# Altium PCB power.PcbDoc (part 2 of 3)
Units mm, origin at the board's own origin, x right, y up, seen from the top; angles counter-clockwise.
Board outline 41 x 59 mm, 4 copper layers (Top Layer, Grpund, Power, Bottom Layer); 116 components, 80 nets, 408 pads, 200 vias.
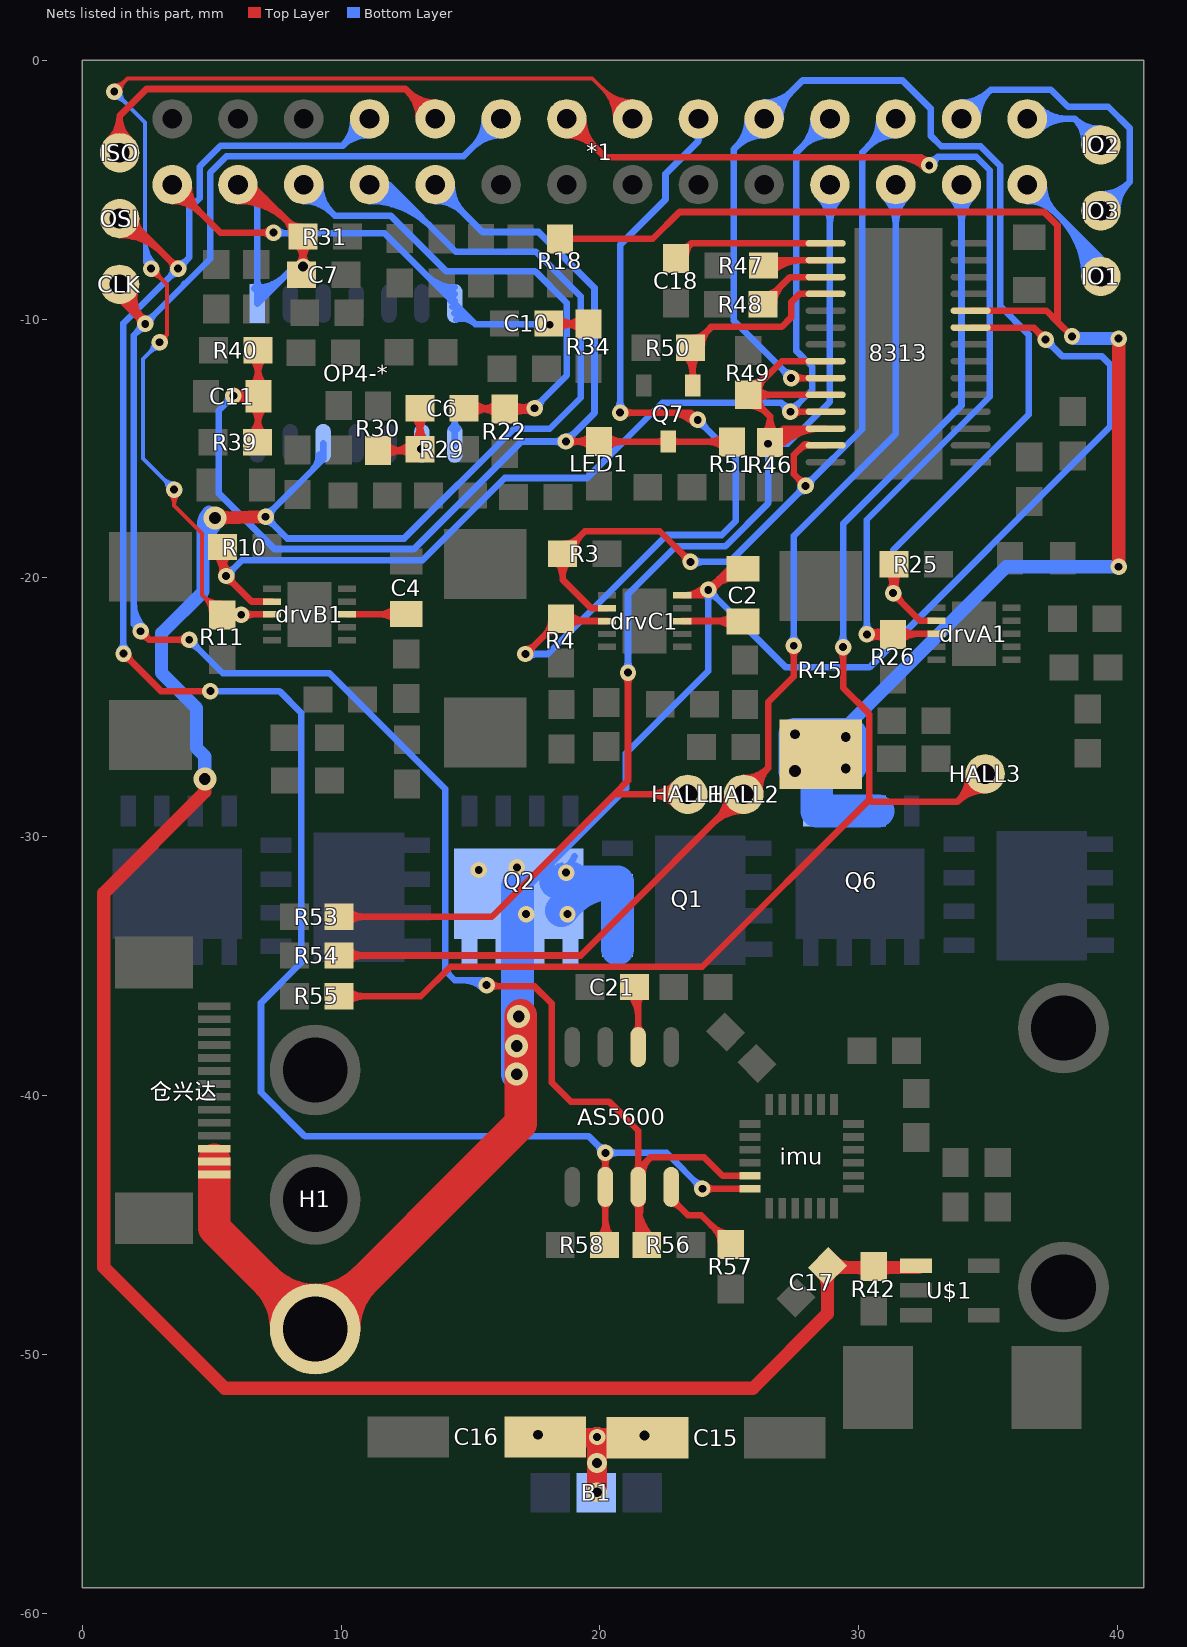
[diagram p4: the nets of this part, all layers, seen from the top]

## Via types
v1: diameter 0.635, hole 0.305, Top Layer to Bottom Layer, 147 vias
v2: diameter 0.889, hole 0.457, Top Layer to Bottom Layer, 25 vias
v3: diameter 0.762, hole 0.381, Top Layer to Bottom Layer, 18 vias
v4: diameter 0.635, hole 0.381, Top Layer to Bottom Layer, 5 vias
v5: diameter 0.762, hole 0.305, Top Layer to Bottom Layer, 4 vias
v6: diameter 0.762, hole 0.457, Top Layer to Bottom Layer, 1 vias

## Nets (pads, with @x,y where several pads share a name; then routed paths per layer and width w, separated by ;. In a path a pad name is that pad's centre, name@x,y a point inside that pad or via, vN(x,y) a via of type N, cw(c..) or ccw(c..) an arc to the next point about the centre after c; other vN are vias at no path point) (continued)
Net8313_9: 8313.9 C2.1 drvC1.5 H1.3 Q1.S Q2.D 仓兴达.12 仓兴达.13 仓兴达.14 | length 106.1
  Top Layer w0.254: drvC1.5@23.175,-20.662 23.975,-20.662 v1(24.181,-20.456) ; drvC1.5@23.224,-20.662 ccw(c23.224,-19.499) v1@24.046,-20.322 ; 23.837,-20.662 ccw(c23.837,-20.112) v1@24.226,-20.501 ; v1@24.181,-20.266 ccw(c24.181,-19.806) 24.506,-20.131 ccw(c24.831,-20.456) v1@24.371,-20.456 ; v1@24.23,-20.272 ccw(c24.349,-19.828) 24.579,-20.226 ccw(c24.809,-20.625) v1@24.365,-20.506 ; 24.573,-20.064 cw(c25.308,-20.798) C2.1@25.383,-19.762 ; C2.1@25.365,-20.016 ccw(c25.255,-21.53) v1(24.181,-20.456) ; C2.1@25.527,-19.644 24.994,-19.644 v1(24.181,-20.456) ; 8313.9@34.315,-10.329 36.745,-10.329 v1(37.211,-10.795) ; v1@37.02,-10.795 ccw(c36.561,-10.795) 36.886,-10.47 ccw(c37.211,-10.145) v1@37.211,-10.604
  Top Layer w0.305: 仓兴达.13@5.105,-42.474 仓兴达.12@5.105,-42.037
  Top Layer w1.27: 仓兴达.13@5.105,-42.474 仓兴达.13@5.105,-42.537 仓兴达.14@5.105,-43.037 5.105,-45.105 H1.3@9,-49 16.942,-41.058 v2@16.942,-36.89 ; H1.3@7.885,-49 ccw(c5.193,-49) 7.097,-47.097 ccw(c9,-45.193) 9,-47.885 ccw(c9,-45.193) 10.903,-47.097 ccw(c12.807,-49) H1.3@10.115,-49
  Bottom Layer w0.254: Q2.D@16.981,-32.166 21.006,-28.141 21.006,-26.772 24.181,-23.597 v1(24.181,-20.456) 27.178,-23.454 30.404,-23.454 39.7,-14.157 39.7,-11.76 39.37,-11.43 37.846,-11.43 v1(37.211,-10.795) ; Q2.D@18.231,-31.945 cw(c19.194,-32.154) Q2.D@18.66,-31.325 ; Q2.D@18.36,-31.346 cw(c18.724,-31.425) Q2.D@18.522,-31.111 ; Q2.D@18.399,-31.151 ccw(c18.734,-31.33) Q2.D@18.495,-31.625 ; Q2.D@18.478,-32.133 cw(c19.377,-32.235) Q2.D@18.813,-31.527 ; Q2.D@18.609,-31.208 ccw(c18.243,-30.482) Q2.D@19.015,-30.737 ; Q2.D@18.742,-31.336 cw(c18.02,-31.983) Q2.D@18.988,-32.036 ; Q2.D@18.873,-31.641 ccw(c18.609,-31.253) Q2.D@19.07,-31.341 ; v1@24.046,-20.591 cw(c23.721,-20.916) 24.181,-20.916 cw(c24.641,-20.916) v1@24.316,-20.591 ; v1@24.181,-20.647 cw(c24.181,-21.107) 24.506,-20.782 cw(c24.831,-20.456) v1@24.371,-20.456 ; v1@37.211,-10.986 cw(c37.211,-11.445) 37.536,-11.12 cw(c37.861,-10.795) v1@37.401,-10.795
  Bottom Layer w0.889: Q2.D@16.866,-32.166 Q2.D@16.981,-32.166 ; Q1.S@20.676,-34.334 Q1.S@20.676,-34.325
  Bottom Layer w1.27: v2@16.81,-39.162 Q2.D@16.81,-31.911 ; Q2.D@18.299,-31.74 Q1.S@20.676,-31.74 ; Q2.D@18.514,-32.844 cw(c20.675,-34.407) Q1.S@20.676,-31.74 ; Q2.D@18.588,-31.74 ccw(c18.588,-31.272) Q2.D@18.919,-31.603 ; Q1.S@20.676,-34.325 Q1.S@20.676,-33.04 Q1.S@20.676,-31.74
  other v1: 17.145,-32.979 18.745,-32.979 18.694,-31.378 15.316,-31.277 16.789,-31.175
  other v2: 16.784,-39.162 16.784,-38.07 16.861,-36.936
Net8313_10: 8313.10 Q6.S R18.1 R45.2 | length 63
  Top Layer w0.254: R18.1@18.457,-6.901 22.039,-6.901 23.073,-5.867 37.151,-5.867 37.668,-6.385 37.668,-10.109 ; 8313.10@34.315,-9.679 37.238,-9.679 37.668,-10.109 ; v1(38.227,-10.668) 37.668,-10.109
  Top Layer w0.508: v1(40.03,-19.567) v1(40.03,-10.754)
  Bottom Layer w0.254: v1(38.227,-10.668) v1@38.313,-10.754
  Bottom Layer w0.508: v4@29.223,-26.035 35.691,-19.567 v1(40.03,-19.567) ; v1@38.272,-10.623 ccw(c38.587,-10.308) 38.587,-10.754 ; v1@38.313,-10.754 v1(40.03,-10.754)
  Bottom Layer w1.27: v2(27.534,-27.457) v4(27.534,-26.035) 29.223,-26.035 29.68,-26.035 29.68,-27.267 v2@27.724,-27.267 ; 28.372,-27.457 28.372,-28.991 Q6.S@29.441,-28.991 Q6.S@30.741,-28.991
  other v4: 29.489,-27.356 29.489,-26.137
Net8313_15: 8313.15 C18.1 | length 7.2
  Top Layer w0.254: C18.1@22.936,-7.668 23.526,-7.079 ; C18.1@23.004,-7.243 ccw(c23.108,-6.661) 23.526,-7.079 ; C18.1@23.317,-7.606 cw(c24.031,-7.584) 23.526,-7.079 ; 8313.15@28.715,-7.079 23.526,-7.079
Net8313_16: 8313.16 R47.2 | length 4.3
  Top Layer w0.254: R47.2@26.455,-8.024 cw(c27.168,-8.737) 27.168,-7.729 ; R47.2@26.594,-7.934 26.799,-7.729 8313.16@28.715,-7.729 ; R47.2@26.635,-8.204 cw(c27.781,-9.35) 27.781,-7.729
Net8313_17: 8313.17 R48.2 | length 4.3
  Top Layer w0.254: R48.2@26.289,-9.433 27.343,-8.379 8313.17@28.715,-8.379 ; R48.2@26.34,-9.052 ccw(c26.34,-8.255) 26.903,-8.818 ; R48.2@26.721,-9.433 cw(c27.763,-9.433) 27.026,-8.696
Net8313_18: 8313.18 Q7.1 R50.2 | length 11.3
  Top Layer w0.254: R50.2@23.276,-11.379 cw(c22.54,-12.115) 23.581,-12.115 ; Q7.1@23.459,-12.327 ccw(c23.164,-12.032) 23.581,-12.032 ccw(c23.999,-12.032) Q7.1@23.704,-12.327 ; R50.2@23.495,-11.109 24.282,-10.322 ; R50.2@23.52,-11.343 23.581,-11.343 Q7.1@23.581,-12.574 ; R50.2@23.546,-10.728 ccw(c23.546,-9.931) 24.109,-10.495 ; 23.581,-11.943 cw(c24.38,-11.943) R50.2@23.815,-11.379 ; R50.2@23.927,-11.109 cw(c24.969,-11.109) 24.232,-10.372 ; 24.282,-10.296 27.026,-10.296 27.381,-9.941 27.381,-9.357 27.709,-9.029 8313.18@28.715,-9.029
Net*1_1: *1.1 IO2.1 | length 10.5
  Bottom Layer w0.254: *1.1@36.5,-2.27 38.338,-2.27 ; *1.1@36.769,-2.539 cw(c37.42,-3.19) 37.42,-2.27 cw(c37.42,-1.35) *1.1@36.769,-2.001 ; *1.1@36.949,-2.719 cw(c38.033,-3.803) 38.033,-2.27 cw(c38.033,-0.737) *1.1@36.949,-1.821 ; IO2.1@38.711,-3.242 ccw(c37.434,-3.174) 38.338,-2.27 ; IO2.1@38.964,-3.256 ccw(c38.198,-3.215) 38.741,-2.673 ccw(c39.283,-2.13) IO2.1@39.324,-2.896 ; IO2.1@39.31,-2.643 cw(c39.242,-1.366) 38.338,-2.27 ; IO2.1@39.345,-3.277 38.338,-2.27
Net*1_2: *1.2 IO3.1 | length 18.9
  Bottom Layer w0.254: *1.2@33.96,-2.27 35.087,-1.143 37.414,-1.143 38.075,-1.803 39.624,-1.803 40.462,-2.642 40.462,-4.699 IO3.1@39.345,-5.817 ; *1.2@33.96,-1.889 ccw(c33.96,-0.969) 34.61,-1.62 ccw(c35.261,-2.27) *1.2@34.341,-2.27 ; *1.2@33.96,-1.635 ccw(c33.96,-0.102) 35.044,-1.186 ccw(c36.128,-2.27) *1.2@34.595,-2.27 ; IO3.1@39.345,-5.436 ccw(c39.345,-4.516) 39.995,-5.166 ccw(c40.645,-5.817) IO3.1@39.726,-5.817 ; IO3.1@39.345,-5.182 ccw(c39.345,-3.649) 40.429,-4.733 ccw(c41.513,-5.817) IO3.1@39.98,-5.817
Net*1_3: 8313.27 *1.3 drvC1.7 R3.1 | length 44
  Top Layer w0.254: R3.1@18.286,-19.329 cw(c17.636,-19.979) 18.556,-19.979 cw(c19.475,-19.979) R3.1@18.825,-19.329 ; R3.1@18.606,-18.678 ccw(c18.606,-17.881) 19.17,-18.445 ; R3.1@18.987,-19.059 cw(c20.03,-19.059) 19.293,-18.322 ; drvC1.7@20.275,-21.162 19.654,-21.162 18.556,-20.064 R3.1@18.556,-19.059 19.419,-18.196 22.311,-18.196 v1(23.495,-19.38) ; v1@23.304,-19.38 ccw(c22.845,-19.38) 23.17,-19.055 ccw(c23.495,-18.73) v1@23.495,-19.19 ; 27.707,-15.025 cw(c28.065,-15.384) 8313.27@28.065,-14.877 ; v1@27.749,-16.443 ccw(c27.29,-16.443) 27.615,-16.118 ccw(c27.94,-15.793) v1@27.94,-16.253 ; v1(27.94,-16.443) 27.483,-15.986 27.483,-15.249 27.853,-14.879 ; 8313.27@28.067,-14.877 ccw(c27.961,-14.986) 27.853,-14.879 ; 8313.27@28.715,-14.879 27.853,-14.879
  Bottom Layer w0.254: v1(23.495,-19.38) 25.003,-19.38 v1(27.94,-16.443) 30.124,-14.259 30.124,-3.565 *1.3@31.42,-2.27 ; v1@23.63,-19.515 cw(c23.955,-19.84) 23.955,-19.38 cw(c23.955,-18.92) v1@23.63,-19.245 ; v1@27.749,-16.443 cw(c27.29,-16.443) 27.615,-16.768 cw(c27.94,-17.094) v1@27.94,-16.634 ; v1@27.94,-16.253 ccw(c27.94,-15.793) 28.265,-16.118 ccw(c28.59,-16.443) v1@28.13,-16.443 ; *1.3@30.785,-2.27 cw(c29.252,-2.27) 30.336,-3.354 cw(c31.42,-4.438) *1.3@31.42,-2.905 ; *1.3@31.039,-2.27 cw(c30.119,-2.27) 30.769,-2.92 cw(c31.42,-3.571) *1.3@31.42,-2.651
Net*1_4: 8313.25 *1.4 drvB1.7 R10.1 | length 52.1
  Top Layer w0.254: R10.1@5.154,-19.075 cw(c4.504,-19.725) 5.424,-19.725 cw(c6.344,-19.725) R10.1@5.693,-19.075 ; R10.1@5.312,-19.307 ccw(c6.029,-19.115) v1@5.658,-19.758 ; R10.1@5.424,-19.128 ccw(c6.358,-19.128) v1@5.697,-19.788 ; R10.1@5.424,-18.805 5.424,-19.784 v1(5.563,-19.923) 6.548,-20.908 drvB1.7@7.334,-20.908 ; v1@5.563,-20.114 cw(c5.563,-20.573) 5.888,-20.248 cw(c6.213,-19.923) v1@5.753,-19.923 ; v1(27.35,-13.579) 8313.25@28.715,-13.579 ; v1@27.485,-13.714 cw(c27.81,-14.039) 27.81,-13.579 cw(c27.81,-13.119) v1@27.485,-13.444
  Bottom Layer w0.254: v1(5.563,-19.923) 6.172,-19.313 13.148,-19.313 16.323,-16.138 19.498,-16.138 22.403,-13.233 27.005,-13.233 v1(27.35,-13.579) 28.194,-12.735 28.194,-11.846 27.584,-11.236 27.584,-3.565 *1.4@28.88,-2.27 ; v1@5.563,-19.733 ccw(c5.563,-19.273) 5.888,-19.598 ccw(c6.213,-19.923) v1@5.753,-19.923 ; v1@27.16,-13.579 ccw(c26.7,-13.579) 27.025,-13.254 ccw(c27.35,-12.928) 27.35,-13.388 ccw(c27.35,-12.928) 27.675,-13.254 ccw(c28,-13.579) v1@27.541,-13.579 ; *1.4@28.245,-2.27 cw(c26.712,-2.27) 27.796,-3.354 cw(c28.88,-4.438) *1.4@28.88,-2.905 ; *1.4@28.499,-2.27 cw(c27.579,-2.27) 28.229,-2.92 cw(c28.88,-3.571) *1.4@28.88,-2.651
Net*1_5: 8313.23 *1.5 drvA1.7 R25.1 | length 60.7
  Top Layer w0.254: v1(27.382,-12.279) 8313.23@28.715,-12.279 ; v1@27.517,-12.413 cw(c27.842,-12.739) 27.842,-12.279 cw(c27.842,-11.819) v1@27.517,-12.144 ; R25.1@31.088,-19.735 cw(c30.437,-20.386) 31.357,-20.386 cw(c32.277,-20.386) R25.1@31.627,-19.735 ; v1@31.179,-20.453 ccw(c30.885,-20.179) 31.274,-20.074 ; v1@31.183,-20.449 ccw(c30.764,-20.029) 31.357,-20.029 ; v1@31.223,-20.418 ccw(c31.016,-20.06) 31.416,-20.167 ; v1@31.318,-20.774 cw(c31.318,-21.172) 31.6,-20.891 ; 31.357,-20.218 ccw(c31.684,-20.218) v1@31.453,-20.449 ; R25.1@31.357,-19.466 31.357,-20.648 32.367,-21.658 drvA1.7@32.988,-21.658 ; 31.433,-20.104 ccw(c31.921,-20.235) v1@31.483,-20.488 ; v1@31.509,-20.583 ccw(c32.03,-20.583) 31.661,-20.952
  Bottom Layer w0.254: *1.5@25.705,-2.27 cw(c24.172,-2.27) 25.256,-3.354 cw(c26.34,-4.438) *1.5@26.34,-2.905 ; *1.5@25.959,-2.27 cw(c25.039,-2.27) 25.689,-2.92 cw(c26.34,-3.571) *1.5@26.34,-2.651 ; *1.5@26.34,-1.889 ccw(c26.34,-0.969) 26.99,-1.62 ccw(c27.641,-2.27) *1.5@26.721,-2.27 ; *1.5@26.34,-1.635 ccw(c26.34,-0.102) 27.424,-1.186 ccw(c28.508,-2.27) *1.5@26.975,-2.27 ; v1@27.192,-12.279 ccw(c26.732,-12.279) 27.057,-11.954 ccw(c27.382,-11.628) v1@27.382,-12.088 ; v1(27.382,-12.279) 25.171,-10.068 25.171,-3.438 *1.5@26.34,-2.27 27.822,-0.787 31.683,-0.787 32.766,-1.87 32.766,-2.912 33.182,-3.327 34.696,-3.327 35.458,-4.089 35.458,-9.5 36.551,-10.592 36.551,-13.7 31.318,-18.932 v1(31.318,-20.583) ; v1@31.183,-20.449 ccw(c30.858,-20.123) 31.318,-20.123 ccw(c31.778,-20.123) v1@31.453,-20.449
Net*1_6: *1.6 drvC1.8 R4.1 | length 43.6
  Top Layer w0.254: v1@17.12,-22.746 ccw(c17.12,-22.261) 17.462,-22.604 ; v1@17.125,-22.941 R4.1@18.491,-21.575 ; v1@17.31,-22.936 cw(c17.745,-22.936) 17.438,-22.629 ; 17.754,-22.312 cw(c18.491,-23.049) R4.1@18.491,-22.007 ; 17.877,-22.189 ccw(c17.313,-21.626) R4.1@18.11,-21.626 ; R4.1@18.587,-21.662 drvC1.8@20.275,-21.662 ; R4.1@18.761,-21.895 cw(c19.322,-22.457) 19.322,-21.662 ; R4.1@18.761,-21.356 ccw(c19.5,-20.617) 19.5,-21.662 ; v1(20.777,-13.614) 23.495,-13.614 ; v1@20.912,-13.749 cw(c21.237,-14.074) 21.237,-13.614 cw(c21.237,-13.154) v1@20.912,-13.48 ; 22.64,-13.614 cw(c22.64,-15.028) v1@23.64,-14.029 ; 23.253,-13.614 cw(c23.253,-14.415) v1@23.819,-13.849 ; v1@23.585,-13.872 ccw(c23.273,-13.837) 23.495,-13.614 ; v1@23.753,-13.705 cw(c23.717,-13.392) 23.495,-13.614 ; v1(23.774,-13.894) 23.495,-13.614
  Bottom Layer w0.254: v1(17.12,-22.936) 17.983,-22.936 22.581,-18.339 24.698,-18.339 25.248,-17.789 25.248,-15.367 v1(23.774,-13.894) ; v1@17.254,-23.071 cw(c17.58,-23.396) 17.58,-22.936 cw(c17.58,-22.476) v1@17.254,-22.801 ; v1@20.642,-13.48 ccw(c20.317,-13.154) 20.777,-13.154 ccw(c21.237,-13.154) v1@20.912,-13.48 ; v1(20.777,-13.614) 20.777,-7.137 22.53,-5.385 22.53,-4.394 23.8,-3.124 ; *1.6@23.617,-2.878 cw(c23.543,-3.124) 23.8,-3.124 ; v1@23.774,-14.084 cw(c23.774,-14.544) 24.1,-14.219 cw(c24.425,-13.894) v1@23.965,-13.894 ; *1.6@23.8,-2.27 23.8,-3.124 ; *1.6@23.983,-2.878 ccw(c24.057,-3.124) 23.8,-3.124
Net*1_7: *1.7 drvB1.8 R11.1 | length 65.8
  Top Layer w0.152: v1(1.245,-1.219) 1.753,-0.711 19.701,-0.711 *1.7@21.26,-2.27 ; v1@1.245,-0.978 ccw(c1.245,-0.395) 1.657,-0.807 ccw(c2.068,-1.219) v1@1.486,-1.219 ; v1@2.667,-8.293 cw(c2.667,-8.876) 3.079,-8.464 cw(c3.491,-8.052) v1@2.908,-8.052 ; v1(2.667,-8.052) 3.277,-8.661 3.277,-10.617 ; v1(2.997,-10.897) 3.277,-10.617 ; v1@3.071,-10.667 ccw(c3.133,-10.474) 3.277,-10.617 ; v1@3.227,-10.823 cw(c3.42,-10.761) 3.277,-10.617 ; v1@3.385,-16.757 cw(c2.973,-17.169) 3.556,-17.169 cw(c4.139,-17.169) v1@3.727,-16.757 ; v1(3.556,-16.586) 3.556,-17.196 4.636,-18.276 4.636,-20.66 ; 4.707,-20.73 cw(c4.056,-21.381) R11.1@4.976,-21.381 ; 4.88,-20.903 ccw(c5.361,-20.422) R11.1@5.394,-21.102 ; R11.1@4.967,-20.99 cw(c4.577,-21.381) R11.1@5.128,-21.381 ; R11.1@5.387,-20.949 cw(c5.338,-19.958) 4.636,-20.66 ; R11.1@5.408,-21.431 4.636,-20.66 ; *1.7@20.574,-2.27 ccw(c18.918,-2.27) 20.089,-1.099 ccw(c21.26,0.071) *1.7@21.26,-1.584 ; *1.7@20.726,-2.27 ccw(c19.439,-2.27) 20.349,-1.359 ccw(c21.26,-0.449) *1.7@21.26,-1.737 ; *1.7@20.879,-2.27 ccw(c19.959,-2.27) 20.609,-1.62 ccw(c21.26,-0.969) *1.7@21.26,-1.889
  Top Layer w0.254: R11.1@5.392,-21.408 drvB1.8@7.334,-21.408 ; R11.1@5.655,-21.408 cw(c5.655,-21.913) v1@6.012,-21.556 ; R11.1@5.677,-21.701 cw(c6.383,-22.407) v1@6.383,-21.408 ; R11.1@5.677,-21.162 ccw(c6.272,-20.567) v1@6.272,-21.408 ; R11.1@5.719,-21.408 ccw(c5.719,-20.994) v1@6.012,-21.287 ; R11.1@5.776,-21.275 cw(c5.709,-21.527) v1@5.962,-21.466 ; R11.1@5.82,-21.287 ccw(c5.899,-20.992) v1@6.052,-21.257 ; v1@6.282,-21.556 cw(c6.639,-21.913) 6.639,-21.408 ; v1@6.282,-21.287 ccw(c6.575,-20.994) 6.575,-21.408
  Bottom Layer w0.152: v1@1.245,-1.46 cw(c1.245,-2.043) 1.657,-1.631 cw(c2.068,-1.219) v1@1.486,-1.219 ; v1(1.245,-1.219) 2.438,-2.413 2.438,-7.823 v1(2.667,-8.052) ; 2.438,-7.653 ccw(c3.066,-7.653) v1@2.622,-8.097 ; 2.438,-7.285 ccw(c3.434,-7.285) v1@2.73,-7.989 ; 2.438,-6.917 ccw(c3.801,-6.917) v1@2.838,-7.881 ; v1@2.756,-10.897 cw(c2.173,-10.897) 2.585,-11.309 cw(c2.997,-11.72) v1@2.997,-11.138 ; v1(2.997,-10.897) 2.349,-11.544 2.349,-15.38 v1(3.556,-16.586) ; v1@3.315,-16.586 ccw(c2.732,-16.586) 3.144,-16.174 ccw(c3.556,-15.762) v1@3.556,-16.345
  other v1: 6.147,-21.422
Net*1_8: *1.8 drvA1.8 R26.1 | length 53
  Top Layer w0.254: *1.8@18.72,-2.905 cw(c18.72,-4.438) 19.804,-3.354 cw(c20.888,-2.27) *1.8@19.355,-2.27 ; *1.8@18.72,-2.651 cw(c18.72,-3.571) 19.37,-2.92 cw(c20.021,-2.27) *1.8@19.101,-2.27 ; *1.8@18.72,-2.27 20.209,-3.759 32.41,-3.759 ; v1(30.305,-22.181) R26.1@31.316,-22.181 ; v1@30.4,-22.346 cw(c30.671,-22.814) R26.1@30.81,-22.292 ; v1@30.4,-22.016 ccw(c30.671,-21.548) R26.1@30.81,-22.07 ; v1@30.44,-22.315 cw(c30.765,-22.641) 30.765,-22.181 cw(c30.765,-21.721) v1@30.44,-22.046 ; v1@30.47,-22.276 cw(c30.799,-22.466) 30.701,-22.099 ; v1@30.47,-22.085 ccw(c30.799,-21.896) 30.701,-22.262 ; R26.1@31.046,-22.45 ccw(c30.396,-23.101) 30.396,-22.181 ccw(c30.396,-21.261) R26.1@31.046,-21.911 ; R26.1@31.205,-22.158 drvA1.8@32.988,-22.158 drvA1.8@32.972,-22.142 ; 31.519,-3.759 cw(c31.519,-5.26) v1@32.58,-4.199 ; R26.1@31.585,-22.45 cw(c32.291,-23.156) 32.291,-22.158 ; R26.1@31.585,-21.911 ccw(c32.18,-21.316) 32.18,-22.158 ; 32.133,-3.759 cw(c32.133,-4.647) v1@32.76,-4.019 ; v1@32.525,-4.055 ccw(c32.133,-4.037) 32.41,-3.759 ; v1@32.706,-3.874 cw(c32.688,-3.482) 32.41,-3.759 ; v1(32.715,-4.064) 32.41,-3.759
  Bottom Layer w0.254: v1@30.17,-22.046 ccw(c29.845,-21.721) 30.305,-21.721 ccw(c30.765,-21.721) v1@30.44,-22.046 ; v1(30.305,-22.181) 30.305,-17.752 35.052,-13.005 35.052,-4.258 34.528,-3.734 33.045,-3.734 v1(32.715,-4.064) ; v1@32.715,-3.873 ccw(c32.715,-3.414) 33.04,-3.739 ccw(c33.366,-4.064) v1@32.906,-4.064
Net*1_9: *1.9 AS5600.7 CLK.1 imu.23 R56.1 | length 98
  Top Layer w0.254: CLK.1@1.448,-8.661 1.448,-9.22 v1@2.438,-10.211 ; CLK.1@1.571,-8.694 ccw(c2.468,-8.929) 1.812,-9.584 ; CLK.1@1.816,-8.758 ccw(c2.964,-9.059) 2.125,-9.898 ; 1.944,-9.585 ccw(c2.719,-9.137) 2.488,-10.001 cw(c2.618,-9.515) 2.182,-9.767 ; CLK.1@2.062,-8.822 ccw(c3.461,-9.189) v1@2.438,-10.211 ; 2.07,-9.842 ccw(c2.438,-9.474) v1@2.438,-9.995 ; 2.088,-9.834 ccw(c2.374,-9.669) v1@2.415,-9.996 ; 2.131,-9.904 cw(c1.849,-10.185) v1@2.248,-10.185 ; 2.213,-9.82 cw(c1.852,-10.028) v1@2.254,-10.136 ; v1@2.261,-22.247 cw(c2.261,-22.707) 2.586,-22.382 cw(c2.911,-22.057) v1@2.451,-22.057 ; v1(2.261,-22.057) 2.591,-22.387 v1(4.14,-22.387) ; v1(2.438,-10.185) v1@2.438,-10.211 ; v1@4.005,-22.522 ccw(c3.68,-22.847) 3.68,-22.387 ccw(c3.68,-21.927) v1@4.005,-22.252 ; v1@15.621,-35.773 17.475,-35.773 18.136,-36.433 18.136,-39.481 18.872,-40.218 20.345,-40.218 21.476,-41.348 AS5600.7@21.476,-42.847 ; v1@15.756,-35.857 cw(c15.958,-36.059) 15.958,-35.773 ; v1@15.756,-35.587 ccw(c16.204,-35.139) 16.204,-35.773 ; AS5600.7@21.353,-44.112 cw(c21.058,-44.407) 21.476,-44.407 cw(c21.893,-44.407) AS5600.7@21.598,-44.112 ; AS5600.7@21.353,-42.917 ccw(c21.058,-42.622) 21.476,-42.622 ccw(c21.893,-42.622) AS5600.7@21.598,-42.917 ; AS5600.7@21.386,-44.137 cw(c21.241,-44.377) 21.513,-44.311 ; 21.476,-44.771 ccw(c22.739,-44.771) R56.1@21.846,-45.665 ; AS5600.7@21.476,-44.158 ccw(c23.353,-44.158) R56.1@22.025,-45.485 ; 21.559,-44.499 cw(c22.098,-44.367) AS5600.7@21.624,-44.079 ; AS5600.7@21.649,-43.04 cw(c22.532,-43.04) 21.908,-42.415 ; R56.1@21.807,-45.755 21.476,-45.424 AS5600.7@21.476,-43.515 AS5600.7@21.476,-42.847 ; imu.23@25.79,-43.083 24.735,-43.083 24.028,-42.377 21.946,-42.377 AS5600.7@21.476,-42.847
  Bottom Layer w0.254: 1.994,-21.566 ccw(c2.751,-21.566) v1@2.216,-22.102 ; 1.994,-20.953 ccw(c3.364,-20.953) v1@2.395,-21.922 ; v1@2.248,-10.185 cw(c1.788,-10.185) 2.113,-10.511 cw(c2.438,-10.836) v1@2.438,-10.376 ; v1(2.261,-22.057) 1.994,-21.79 1.994,-10.63 v1(2.438,-10.185) 4.953,-7.671 4.953,-4.343 5.579,-3.718 14.732,-3.718 *1.9@16.18,-2.27 ; v1@2.438,-9.995 ccw(c2.438,-9.535) 2.764,-9.86 ccw(c3.089,-10.185) v1@2.629,-10.185 ; 3.95,-8.649 3.956,-8.649 ; v1@4.14,-22.577 cw(c4.14,-23.037) 4.465,-22.712 cw(c4.791,-22.387) v1@4.331,-22.387 ; v1(4.14,-22.387) 5.436,-23.682 9.558,-23.682 14.021,-28.145 14.021,-35.163 14.393,-35.535 15.434,-35.535 v1(15.621,-35.722) ; 14.71,-35.535 cw(c14.71,-36.632) v1@15.486,-35.857 ; 15.324,-35.535 cw(c15.324,-36.019) v1@15.666,-35.677 ; *1.9@15.545,-2.27 cw(c14.012,-2.27) 15.096,-3.354 cw(c16.18,-4.438) *1.9@16.18,-2.905 ; *1.9@15.799,-2.27 cw(c14.879,-2.27) 15.529,-2.92 cw(c16.18,-3.571) *1.9@16.18,-2.651
Net*1_10: *1.10 ISO.1 | length 21.8
  Top Layer w0.254: ISO.1@1.024,-3.109 ccw(c0.172,-2.159) 1.448,-2.159 ; ISO.1@1.193,-3.298 ccw(c0.683,-2.728) 1.448,-2.728 ccw(c2.213,-2.728) ISO.1@1.702,-3.298 ; ISO.1@1.448,-3.581 1.448,-2.159 ; ISO.1@1.872,-3.109 cw(c2.723,-2.159) 1.448,-2.159 ; *1.10@13.005,-2.27 ccw(c11.472,-2.27) 12.556,-1.186 ccw(c13.64,-0.102) *1.10@13.64,-1.635 ; *1.10@13.259,-2.27 ccw(c12.339,-2.27) 12.989,-1.62 ccw(c13.64,-0.969) *1.10@13.64,-1.889 ; *1.10@13.64,-2.27 12.487,-1.118 2.489,-1.118 1.448,-2.159
Net*1_11: *1.11 AS5600.6 imu.24 OSI.1 R58.1 | length 95.7
  Top Layer w0.254: OSI.1@1.448,-6.756 cw(c1.448,-9.087) 3.095,-7.439 ; OSI.1@1.448,-6.502 cw(c1.448,-8.219) 2.662,-7.005 ; OSI.1@1.448,-6.248 cw(c1.448,-7.352) 2.228,-6.572 ; OSI.1@1.448,-6.121 1.778,-6.121 v1(3.708,-8.052) ; v1@1.6,-23.111 cw(c1.6,-23.571) 1.925,-23.245 cw(c2.251,-22.92) v1@1.791,-22.92 ; v1(1.6,-22.92) 3.048,-24.368 v1(4.953,-24.368) ; OSI.1@2.083,-6.121 ccw(c2.819,-6.121) 2.298,-6.642 ; v1@3.518,-8.052 ccw(c3.058,-8.052) 3.383,-7.727 ccw(c3.708,-7.401) v1@3.708,-7.861 ; R58.1@19.961,-45.485 ccw(c19.37,-44.894) 20.206,-44.894 ; v1@20.071,-42.334 cw(c19.746,-42.659) 20.206,-42.659 cw(c20.666,-42.659) v1@20.34,-42.334 ; AS5600.6@20.083,-44.112 cw(c19.788,-44.407) 20.206,-44.407 cw(c20.623,-44.407) AS5600.6@20.328,-44.112 ; AS5600.6@20.083,-42.917 ccw(c19.788,-42.622) 20.206,-42.622 ccw(c20.623,-42.622) AS5600.6@20.328,-42.917 ; R58.1@20.179,-45.755 20.206,-45.755 AS5600.6@20.206,-43.515 v1(20.206,-42.199) ; 20.206,-44.776 ccw(c21.209,-44.776) R58.1@20.5,-45.485 ; v1(23.952,-43.583) imu.24@25.79,-43.583 ; v1@24.087,-43.718 cw(c24.412,-44.043) 24.412,-43.583 cw(c24.412,-43.123) v1@24.087,-43.449
  Bottom Layer w0.254: v1@1.465,-22.785 ccw(c1.171,-22.491) 1.587,-22.491 ; 1.587,-22.43 ccw(c2.091,-22.43) v1@1.735,-22.785 ; v1(1.6,-22.92) 1.587,-22.908 1.587,-10.173 4.14,-7.62 4.14,-5.74 4.547,-5.334 4.547,-4.115 5.35,-3.311 10.058,-3.311 ; v1@3.518,-8.052 cw(c3.058,-8.052) 3.383,-8.377 cw(c3.708,-8.702) v1@3.708,-8.242 ; v1@3.708,-7.861 ccw(c3.708,-7.401) 4.034,-7.727 ccw(c4.359,-8.052) v1@3.899,-8.052 ; v1(4.953,-24.368) 7.62,-24.368 8.458,-25.206 8.458,-34.858 6.909,-36.408 6.909,-39.862 8.611,-41.564 19.571,-41.564 v1(20.206,-42.199) 22.568,-42.199 v1(23.952,-43.583) ; *1.11@10.465,-2.288 cw(c9.075,-2.328) 10.058,-3.311 ; *1.11@10.719,-2.281 cw(c9.885,-2.305) 10.475,-2.895 cw(c11.065,-3.485) *1.11@11.089,-2.651 ; *1.11@11.082,-2.905 ccw(c11.041,-4.294) 10.058,-3.311 ; *1.11@11.1,-2.27 10.058,-3.311 ; v1@20.015,-42.199 ccw(c19.555,-42.199) 19.88,-41.874 ccw(c20.206,-41.548) v1@20.206,-42.008 ; v1@20.34,-42.334 cw(c20.666,-42.659) 20.666,-42.199 cw(c20.666,-41.739) v1@20.34,-42.064 ; v1@23.762,-43.583 ccw(c23.302,-43.583) 23.627,-43.258 ccw(c23.952,-42.933) v1@23.952,-43.393
Net*1_15: *1.15 C10.1 OP4-*.7 R34.2 | length 31.9
  Top Layer w0.254: *1.15@3.48,-5.445 cw(c3.48,-6.978) 4.564,-5.894 cw(c5.648,-4.81) *1.15@4.115,-4.81 ; *1.15@3.48,-5.191 cw(c3.48,-6.111) 4.13,-5.46 cw(c4.781,-4.81) *1.15@3.861,-4.81 ; *1.15@3.48,-4.81 5.334,-6.664 v1(7.391,-6.664) ; v1@7.257,-6.799 ccw(c6.931,-7.124) 6.931,-6.664 ccw(c6.931,-6.204) v1@7.257,-6.529 ; C10.1@18.009,-10.195 R34.2@19.558,-10.195 ; C10.1@18.194,-10.355 cw(c18.581,-10.741) 18.581,-10.195 ; C10.1@18.194,-10.085 ccw(c18.458,-9.822) C10.1@18.458,-10.195 ; C10.1@18.341,-10.439 cw(c18.93,-11.028) 18.93,-10.195 ; C10.1@18.341,-9.9 ccw(c19.052,-9.188) R34.2@19.052,-10.195 ; R34.2@19.289,-10.464 ccw(c18.638,-11.115) 18.638,-10.195 ccw(c18.638,-9.275) R34.2@19.289,-9.925
  Bottom Layer w0.254: v1@7.391,-6.69 11.68,-6.69 OP4-*.7@14.393,-9.402 15.185,-10.195 ; v1@7.526,-6.799 cw(c7.79,-7.063) 7.79,-6.69 ; v1@7.526,-6.529 ccw(c7.913,-6.143) 7.913,-6.69 ; 13.329,-8.338 ccw(c14.393,-7.275) OP4-*.7@14.393,-8.779 ; 13.763,-8.772 ccw(c14.393,-8.142) OP4-*.7@14.393,-9.033 ; OP4-*.7@14.196,-9.206 ccw(c14.393,-9.009) OP4-*.7@14.393,-9.287 ; OP4-*.7@14.211,-9.292 cw(c14.24,-9.379) OP4-*.7@14.304,-9.314 ; OP4-*.7@14.289,-9.533 cw(c14.383,-9.823) OP4-*.7@14.598,-9.608 ; OP4-*.7@14.368,-9.775 cw(c14.526,-10.266) 14.892,-9.901 ; OP4-*.7@14.446,-10.017 cw(c14.67,-10.71) 15.185,-10.195 ; 17.538,-10.195 cw(c17.538,-10.741) v1@17.925,-10.355 ; 17.661,-10.195 ccw(c17.661,-9.822) v1@17.925,-10.085 ; v1@18.085,-10.195 15.185,-10.195
  other v1: 18.059,-10.22
Net*1_16: *1.16 C7.1 OP4-*.1 R31.2 | length 25.3
  Top Layer w0.254: *1.16@6.02,-5.445 cw(c6.02,-8.204) 7.971,-6.253 ; *1.16@6.02,-5.191 cw(c6.02,-7.337) 7.537,-5.82 ; *1.16@6.02,-4.937 cw(c6.02,-6.47) 7.104,-5.386 ; *1.16@6.071,-4.835 6.553,-4.835 R31.2@8.534,-6.817 C7.1@8.534,-8.227 ; 7.797,-6.079 cw(c7.06,-6.817) R31.2@8.103,-6.817 ; 7.92,-6.202 ccw(c8.484,-5.638) R31.2@8.484,-6.436 ; C7.1@8.253,-8.02 ccw(c7.574,-7.341) 8.534,-7.341 ; R31.2@8.265,-7.086 cw(c7.615,-7.736) 8.534,-7.736 cw(c9.454,-7.736) R31.2@8.804,-7.086 ; 8.534,-7.398 ccw(c9.414,-7.398) C7.1@8.792,-8.02
  Bottom Layer w0.254: *1.16@6.045,-4.886 6.773,-5.614 ; *1.16@6.153,-5.431 cw(c6.295,-6.091) 6.772,-5.613 ; *1.16@6.625,-5.004 ccw(c7.199,-5.187) 6.772,-5.613 ; OP4-*.1@6.65,-8.83 ccw(c6.355,-8.534) 6.773,-8.534 ccw(c7.19,-8.534) OP4-*.1@6.895,-8.83 ; OP4-*.1@6.773,-9.287 ccw(c6.773,-9.009) OP4-*.1@6.969,-9.206 ; OP4-*.1@6.773,-9.033 ccw(c6.773,-8.142) 7.402,-8.772 ; OP4-*.1@6.773,-8.779 ccw(c6.773,-7.275) 7.836,-8.338 ; v4(8.534,-7.976) 8.199,-7.976 OP4-*.1@6.773,-9.402 6.773,-5.614
Net*1_17: *1.17 C6.1 OP4-*.8 R22.2 | length 35.7
  Top Layer w0.254: C6.1@14.757,-13.471 R22.2@16.319,-13.471 v1@17.501,-13.471 ; C6.1@15.077,-13.715 cw(c15.666,-14.304) 15.666,-13.471 ; C6.1@15.077,-13.177 ccw(c15.788,-12.465) 15.788,-13.471 ; R22.2@16.05,-13.741 ccw(c15.4,-14.391) 15.4,-13.471 ccw(c15.4,-12.552) R22.2@16.05,-13.202 ; R22.2@16.589,-13.741 cw(c17.239,-14.391) 17.239,-13.471 cw(c17.239,-12.552) R22.2@16.589,-13.202 ; 16.923,-13.387 ccw(c17.05,-12.91) v1@17.357,-13.297 ; 16.936,-13.553 cw(c17.088,-14.117) v1@17.38,-13.611 ; 16.954,-13.471 ccw(c16.954,-12.925) v1@17.34,-13.311 ; 17.077,-13.471 cw(c17.077,-13.845) v1@17.34,-13.581 ; 17.107,-13.507 ccw(c17.02,-13.183) v1@17.31,-13.351
  Bottom Layer w0.254: *1.17@8.56,-5.445 cw(c8.56,-6.978) 9.644,-5.894 cw(c10.728,-4.81) *1.17@9.195,-4.81 ; *1.17@8.56,-5.191 cw(c8.56,-6.111) 9.21,-5.46 cw(c9.861,-4.81) *1.17@8.941,-4.81 ; *1.17@8.56,-4.81 9.754,-6.004 11.913,-6.004 14.072,-8.163 17.475,-8.163 ; OP4-*.8@14.27,-14.23 ccw(c13.975,-13.934) 14.393,-13.934 ccw(c14.81,-13.934) OP4-*.8@14.515,-14.23 ; OP4-*.8@14.393,-14.802 14.393,-13.912 14.859,-13.446 17.45,-13.446 18.72,-12.176 18.72,-9.382 17.488,-8.15 ; v1@17.34,-13.581 ccw(c17.015,-13.906) 17.015,-13.446 ccw(c17.015,-12.986) v1@17.34,-13.311 ; v1@17.475,-13.256 ccw(c17.475,-12.857) 17.757,-13.139 ; v1@17.666,-13.446 cw(c18.187,-13.446) 17.818,-13.077
  other v1: 17.475,-13.446
Net*1_18: *1.18 C17.2 OP4-*.12 R42.2 U$1.1 | length 119.6
  Top Layer w0.508: v2(4.739,-27.759) 4.739,-28.265 0.838,-32.166 0.838,-46.618 5.512,-51.292 25.908,-51.292 28.779,-48.421 28.779,-46.628 30.569,-46.628 32.202,-46.628 U$1.1@32.317,-46.628 ; v2(5.131,-17.678) v1(7.087,-17.637) ; v2@5.263,-17.541 ccw(c5.581,-17.209) 5.591,-17.669 ccw(c5.6,-18.128) v2@5.268,-17.81 ; C17.2@28.564,-46.807 cw(c28.043,-47.328) 28.779,-47.328 ; C17.2@28.779,-47.154 cw(c29.27,-47.154) C17.2@28.923,-46.807 ; C17.2@28.995,-46.376 ccw(c29.603,-45.768) 29.603,-46.628 ; 29.931,-46.628 cw(c29.931,-47.276) R42.2@30.389,-46.818 ; 29.98,-46.628 ccw(c29.98,-46.05) R42.2@30.389,-46.459 ; R42.2@30.748,-46.818 cw(c31.207,-47.276) 31.207,-46.628 ; R42.2@30.748,-46.459 ccw(c31.157,-46.05) 31.157,-46.628
  Bottom Layer w0.254: v1@7.087,-17.828 cw(c7.087,-18.287) 7.412,-17.962 cw(c7.737,-17.637) 7.277,-17.637 cw(c7.737,-17.637) 7.412,-17.312 cw(c7.087,-16.987) v1@7.087,-17.447 ; 8.905,-15.819 ccw(c8.338,-15.252) OP4-*.12@9.14,-15.252 ; OP4-*.12@9.313,-14.802 9.313,-15.411 v1(7.087,-17.637) 7.925,-18.475 12.437,-18.475 16.678,-14.233 18.059,-14.233 19.253,-13.04 19.253,-9.128 17.526,-7.401 14.427,-7.401 11.836,-4.81 *1.18@11.1,-4.81 ; *1.18@11.1,-5.445 cw(c11.1,-8.756) 13.441,-6.415 ; *1.18@11.1,-5.191 cw(c11.1,-7.889) 13.008,-5.981 ; *1.18@11.1,-4.937 cw(c11.1,-7.022) 12.574,-5.548 ; *1.18@11.1,-4.683 cw(c11.1,-6.155) 12.14,-5.114
  Bottom Layer w0.508: 4.674,-19.242 cw(c6.694,-19.242) v2@5.266,-17.813 ; 4.674,-18.016 cw(c5.468,-18.016) v2@4.906,-17.454 ; v2(4.739,-27.759) 4.739,-26.887 4.423,-26.57 4.423,-25.022 3.073,-23.673 3.073,-22.123 4.674,-20.523 4.674,-18.136 v2(5.131,-17.678) ; v2@4.94,-17.678 cw(c4.48,-17.678) 4.806,-18.004 cw(c5.131,-18.329) v2@5.131,-17.869
Net*1_19: *1.19 C11.1 LED1.1 Q7.3 R39.1 R40.2 R51.2 | length 67.1
  Top Layer w0.254: v1@5.798,-12.982 C11.1@6.791,-12.982 ; v1@5.937,-13.128 cw(c6.17,-13.532) 6.291,-13.082 ; v1@5.956,-12.811 ccw(c6.199,-12.483) 6.305,-12.877 ; v1@5.977,-13.098 cw(c6.258,-13.38) 6.258,-12.982 ; v1@5.977,-12.829 ccw(c6.346,-12.46) C11.1@6.346,-12.982 ; v1@6.007,-13.059 cw(c6.297,-13.226) 6.21,-12.903 ; v1@6.007,-12.868 ccw(c6.4,-12.641) 6.283,-13.08 ; R39.1@6.508,-14.49 ccw(c5.825,-13.807) 6.791,-13.807 ; R40.2@6.522,-11.473 cw(c5.871,-12.123) 6.791,-12.123 cw(c7.711,-12.123) R40.2@7.061,-11.473 ; C11.1@6.553,-13.38 cw(c5.977,-13.956) 6.791,-13.956 ; C11.1@6.553,-13.245 ccw(c5.916,-13.882) 5.916,-12.982 ccw(c5.916,-12.081) C11.1@6.553,-12.718 ; C11.1@6.553,-12.583 ccw(c5.977,-12.007) 6.791,-12.007 ; 6.791,-14.078 cw(c7.778,-14.078) C11.1@7.08,-13.38 ; 6.791,-13.873 ccw(c7.664,-13.873) R39.1@7.047,-14.49 ; 6.791,-11.885 ccw(c7.778,-11.885) C11.1@7.08,-12.583 ; R40.2@6.791,-11.204 C11.1@6.791,-12.982 ; R39.1@6.816,-14.76 6.791,-14.734 C11.1@6.791,-12.982 ; C11.1@6.816,-12.982 C11.1@6.791,-12.982 ; v1(18.683,-14.73) LED1.1@19.964,-14.73 ; v1@18.817,-14.864 cw(c19.143,-15.19) 19.143,-14.73 cw(c19.143,-14.27) v1@18.817,-14.595 ; LED1.1@19.695,-14.999 ccw(c19.045,-15.649) 19.045,-14.73 ccw(c19.045,-13.81) LED1.1@19.695,-14.46 ; LED1.1@19.976,-14.741 R51.2@25.095,-14.741 R51.2@25.4,-14.741 ; LED1.1@20.234,-14.999 cw(c20.856,-15.621) 20.856,-14.741 ; LED1.1@20.234,-14.46 ccw(c20.913,-13.781) 20.913,-14.741 ; 22.172,-14.741 ccw(c22.172,-14.265) Q7.3@22.509,-14.602 ; 22.255,-14.741 cw(c22.255,-15.1) Q7.3@22.509,-14.847 ; Q7.3@22.754,-14.847 cw(c23.008,-15.1) 23.008,-14.741 ; Q7.3@22.754,-14.602 ccw(c23.091,-14.265) 23.091,-14.741 ; R51.2@24.826,-15.011 ccw(c24.175,-15.661) 24.175,-14.741 ccw(c24.175,-13.822) R51.2@24.826,-14.472
  Bottom Layer w0.254: v1@5.651,-12.963 cw(c5.192,-12.963) 5.517,-13.289 cw(c5.842,-13.614) v1@5.842,-13.154 ; v1@5.817,-12.963 v1@5.817,-12.913 ; v1(5.842,-12.963) 5.283,-13.522 5.283,-16.739 7.426,-18.882 12.818,-18.882 16.97,-14.73 v1(18.683,-14.73) 19.787,-13.626 19.787,-8.798 17.628,-6.639 15.469,-6.639 *1.19@13.64,-4.81 ; *1.19@13.64,-5.445 cw(c13.64,-6.978) 14.724,-5.894 cw(c15.808,-4.81) *1.19@14.275,-4.81 ; *1.19@13.64,-5.191 cw(c13.64,-6.111) 14.29,-5.46 cw(c14.941,-4.81) *1.19@14.021,-4.81 ; v1@18.548,-14.864 ccw(c18.223,-15.19) 18.223,-14.73 ccw(c18.223,-14.27) v1@18.548,-14.595 ; v1@18.683,-14.539 ccw(c18.683,-14.079) 19.008,-14.404 ccw(c19.333,-14.73) v1@18.873,-14.73
Net*1_25: 8313.22 8313.24 8313.26 *1.25 HALL1.1 R46.2 R49.1 R53.1 | length 81.2
  Top Layer w0.254: R53.1@9.918,-33.08 15.824,-33.08 20.549,-28.356 ; R53.1@10.238,-33.35 cw(c10.888,-34) 10.888,-33.08 cw(c10.888,-32.16) R53.1@10.238,-32.811 ; v1@20.947,-23.792 cw(c20.622,-24.117) 21.082,-24.117 cw(c21.542,-24.117) v1@21.217,-23.792 ; v1(21.082,-23.657) 21.082,-27.822 20.549,-28.356 ; HALL1.1@22.944,-28.805 ccw(c21.86,-29.889) 21.86,-28.356 ccw(c21.86,-26.823) HALL1.1@22.944,-27.907 ; HALL1.1@23.124,-28.625 ccw(c22.474,-29.276) 22.474,-28.356 ccw(c22.474,-27.436) HALL1.1@23.124,-28.086 ; HALL1.1@23.393,-28.356 20.549,-28.356 ; R49.1@25.73,-13.356 cw(c25.73,-14.399) 26.467,-13.662 ; R49.1@25.73,-12.493 ccw(c25.73,-11.45) 26.467,-12.187 ; R49.1@26,-13.194 cw(c26.639,-13.834) 26.639,-12.929 ; R49.1@26,-12.655 ccw(c26.661,-11.994) 26.661,-12.929 ; R49.1@26.111,-12.975 ccw(c26.908,-12.975) 26.345,-13.539 ; R49.1@26.111,-12.874 cw(c26.908,-12.874) 26.345,-12.31 ; R46.2@26.299,-14.447 ccw(c25.649,-13.796) 26.568,-13.796 ccw(c27.488,-13.796) R46.2@26.838,-14.447 ; R46.2@26.357,-14.683 ccw(c25.848,-14.174) 26.568,-14.174 ; R46.2@26.479,-14.626 cw(c27.438,-15.586) 27.438,-14.229 ; R46.2@26.492,-14.627 ccw(c26.492,-14.106) R46.2@26.861,-14.474 ; R46.2@26.539,-14.633 ccw(c26.714,-13.939) 27.081,-14.554 ; R46.2@26.658,-14.806 cw(c28.051,-16.199) 8313.26@28.051,-14.229 ; R46.2@26.666,-14.348 ccw(c26.783,-13.905) 27.106,-14.229 ; R46.2@26.676,-14.867 cw(c27.69,-15.138) 27.165,-14.23 ; R46.2@26.683,-14.818 cw(c27.081,-14.818) R46.2@26.799,-14.536 ; R46.2@26.838,-14.985 cw(c28.664,-16.812) 8313.26@28.664,-14.229 ; R46.2@26.947,-14.677 cw(c27.497,-14.62) 27.106,-14.229 ; 8313.26@28.715,-14.229 27.106,-14.229 ; 8313.24@28.715,-12.929 R49.1@25.735,-12.929 ; 8313.22@28.715,-11.629 27.026,-11.629 R49.1@25.73,-12.924 R49.1@25.735,-12.929 ; R49.1@25.735,-12.929 26.568,-13.763 R46.2@26.568,-14.767 27.106,-14.229
  Bottom Layer w0.254: v1@20.947,-23.522 ccw(c20.622,-23.197) 21.082,-23.197 ccw(c21.542,-23.197) v1@21.217,-23.522 ; v1(21.082,-23.657) 21.082,-20.625 22.936,-18.771 24.841,-18.771 26.492,-17.12 v1(26.492,-14.818) 27.254,-14.818 28.88,-13.192 *1.25@28.88,-4.81 ; v1@26.357,-14.952 cw(c26.032,-15.278) 26.492,-15.278 cw(c26.952,-15.278) 26.627,-14.952 cw(c26.952,-15.278) 26.952,-14.818 cw(c26.952,-14.358) v1@26.627,-14.683 ; *1.25@28.431,-5.259 cw(c27.347,-6.343) 28.88,-6.343 cw(c30.413,-6.343) *1.25@29.329,-5.259 ; *1.25@28.61,-5.079 cw(c27.96,-5.73) 28.88,-5.73 cw(c29.8,-5.73) *1.25@29.149,-5.079
Net*1_26: *1.26 HALL2.1 R54.1 | length 58.1
  Top Layer w0.254: R54.1@9.918,-34.579 19.253,-34.579 26.492,-27.34 ; R54.1@10.238,-34.848 cw(c10.888,-35.499) 10.888,-34.579 cw(c10.888,-33.659) R54.1@10.238,-34.309 ; 24.338,-29.494 cw(c25.552,-30.708) HALL2.1@25.552,-28.991 ; 24.522,-29.31 ccw(c23.568,-28.356) HALL2.1@24.917,-28.356 ; 24.772,-29.06 cw(c25.552,-29.841) HALL2.1@25.552,-28.737 ; 24.956,-28.876 ccw(c24.436,-28.356) HALL2.1@25.171,-28.356 ; HALL2.1@25.556,-27.975 ccw(c25.564,-27.266) 26.065,-27.767 ; HALL2.1@25.559,-27.721 ccw(c25.572,-26.42) 26.492,-27.34 ; HALL2.1@25.93,-28.303 cw(c26.636,-28.204) 26.132,-27.7 ; HALL2.1@26.181,-28.268 cw(c27.268,-28.116) 26.492,-27.34 ; v1@27.348,-22.75 cw(c27.023,-23.075) 27.483,-23.075 cw(c27.943,-23.075) v1@27.618,-22.75 ; v1(27.483,-22.615) 27.483,-23.809 26.492,-24.8 26.492,-27.34
  Bottom Layer w0.254: v1@27.348,-22.481 ccw(c27.023,-22.155) 27.483,-22.155 ccw(c27.943,-22.155) v1@27.618,-22.481 ; v1@27.483,-22.666 v1(27.483,-22.615) 27.483,-18.374 31.42,-14.437 *1.26@31.42,-4.81 ; *1.26@30.971,-5.259 cw(c29.887,-6.343) 31.42,-6.343 cw(c32.953,-6.343) *1.26@31.869,-5.259 ; *1.26@31.15,-5.079 cw(c30.5,-5.73) 31.42,-5.73 cw(c32.34,-5.73) *1.26@31.689,-5.079
Net*1_27: *1.27 HALL3.1 R55.1 | length 65.2
  Top Layer w0.254: R55.1@9.918,-36.154 13.081,-36.154 14.224,-35.011 23.952,-35.011 30.404,-28.559 ; R55.1@10.238,-36.423 cw(c10.888,-37.073) 10.888,-36.154 cw(c10.888,-35.234) R55.1@10.238,-35.884 ; v1@29.253,-22.801 cw(c28.928,-23.126) 29.388,-23.126 cw(c29.848,-23.126) v1@29.523,-22.801 ; v1(29.388,-22.666) 29.388,-24.241 30.404,-25.257 30.404,-28.559 ; HALL3.1@34.239,-27.571 cw(c32.726,-27.577) 33.796,-28.647 ; HALL3.1@34.493,-27.57 cw(c33.585,-27.573) 34.227,-28.215 cw(c34.869,-28.857) HALL3.1@34.873,-27.949 ; HALL3.1@34.872,-28.203 ccw(c34.866,-29.717) 33.796,-28.647 ; HALL3.1@34.874,-27.568 33.796,-28.647 ; 30.404,-28.559 30.491,-28.647 33.796,-28.647
  Bottom Layer w0.254: v1@29.253,-22.531 ccw(c28.928,-22.206) 29.388,-22.206 ccw(c29.848,-22.206) v1@29.523,-22.531 ; v1(29.388,-22.666) 29.388,-17.916 33.96,-13.344 *1.27@33.96,-4.81 ; *1.27@33.511,-5.259 cw(c32.427,-6.343) 33.96,-6.343 cw(c35.493,-6.343) *1.27@34.409,-5.259 ; *1.27@33.69,-5.079 cw(c33.04,-5.73) 33.96,-5.73 cw(c34.88,-5.73) *1.27@34.229,-5.079
Net*1_28: *1.28 IO1.1 | length 15.8
  Bottom Layer w0.254: *1.28@36.5,-5.445 cw(c36.5,-6.978) 37.584,-5.894 cw(c38.668,-4.81) *1.28@37.135,-4.81 ; *1.28@36.5,-5.191 cw(c36.5,-6.111) 37.15,-5.46 cw(c37.801,-4.81) *1.28@36.881,-4.81 ; *1.28@36.5,-4.81 39.345,-7.655 IO1.1@39.345,-8.357 ; 37.764,-6.075 cw(c35.482,-8.357) IO1.1@38.71,-8.357 ; 38.198,-6.508 cw(c36.349,-8.357) IO1.1@38.964,-8.357 ; 38.632,-6.942 cw(c37.217,-8.357) IO1.1@39.218,-8.357 ; 39.065,-7.375 cw(c38.084,-8.357) IO1.1@39.472,-8.357
NetAS5600_2: AS5600.2 C21.2 | length 4.8
  Top Layer w0.254: C21.2@21.117,-36.067 cw(c20.252,-36.932) 21.476,-36.932 ; C21.2@21.297,-35.888 cw(c20.866,-36.319) 21.476,-36.319 ; AS5600.2@21.353,-37.517 ccw(c21.058,-37.222) 21.476,-37.222 ccw(c21.893,-37.222) AS5600.2@21.598,-37.517 ; AS5600.2@21.476,-38.115 C21.2@21.476,-35.938 ; 21.476,-36.503 cw(c22.092,-36.503) C21.2@21.656,-36.067
NetAS5600_8: AS5600.8 R57.1 | length 5.6
  Top Layer w0.254: AS5600.8@22.746,-44.162 cw(c22.746,-44.641) 23.084,-44.303 ; AS5600.8@22.746,-43.514 22.746,-43.964 23.393,-44.612 23.913,-44.612 R57.1@25.044,-45.743 ; AS5600.8@22.919,-43.989 ccw(c23.275,-43.989) 23.023,-44.241 ; 24.307,-45.006 ccw(c25.044,-44.269) R57.1@25.044,-45.311 ; 24.43,-45.129 cw(c23.866,-45.692) R57.1@24.663,-45.692
NetB1_2: B1.2 C15.1 C16.1 | length 8.2
  Top Layer w0.762: C16.1@17.915,-53.197 v1@19.888,-53.197 ; v3(19.888,-55.305) v3(19.888,-54.178) v1@19.888,-53.197 ; v1(19.888,-53.172) v1@19.888,-53.197 ; C15.1@21.836,-53.197 v1@19.888,-53.197
  Bottom Layer w0.762: v3(19.888,-55.305) v3(19.888,-54.178) v1(19.888,-53.172)
  other v3: 21.717,-53.111 17.602,-53.086
NetC2_2: C2.2 drvC1.3 | length 3.8
  Top Layer w0.254: drvC1.3@23.175,-21.662 C2.2@25.527,-21.662 ; 24.46,-21.662 cw(c24.46,-22.608) C2.2@25.128,-21.939 ; 24.523,-21.662 ccw(c24.523,-20.807) C2.2@25.128,-21.412
NetC4_2: C4.2 drvB1.3 | length 3.7
  Top Layer w0.254: drvB1.3@10.234,-21.408 C4.2@12.504,-21.408 ; 11.446,-21.408 ccw(c11.446,-20.453) C4.2@12.121,-21.129 ; 11.523,-21.408 cw(c11.523,-22.254) C4.2@12.121,-21.656
NetC6_2: C6.2 OP4-*.9 R29.1 R30.2 | length 10.3
  Top Layer w0.254: R30.2@11.379,-15.097 12.979,-15.097 13.043,-15.034 C6.2@13.043,-13.446 ; R30.2@11.699,-15.341 cw(c12.288,-15.93) 12.288,-15.097 ; R30.2@11.699,-14.802 ccw(c12.411,-14.09) 12.411,-15.097 ; R30.2@11.933,-15.097 ccw(c11.933,-13.96) R29.1@12.736,-14.764 ; 12.239,-15.097 cw(c12.239,-15.8) R29.1@12.736,-15.303 ; 12.437,-15.097 ccw(c12.437,-14.377) 12.946,-14.886 ccw(c12.713,-14.653) R29.1@13.043,-14.653 ; C6.2@12.773,-13.715 cw(c12.123,-14.366) 13.043,-14.366 cw(c13.963,-14.366) C6.2@13.312,-13.715 ; R29.1@12.787,-14.764 ccw(c12.17,-14.147) 13.043,-14.147 ; 13.043,-14.469 ccw(c13.633,-14.469) R29.1@13.216,-14.886 ; 13.043,-14.081 ccw(c14.009,-14.081) R29.1@13.326,-14.764
  other v1: 13.081,-15.021